# KiCad board SevenSegment.kicad_pcb (continued)
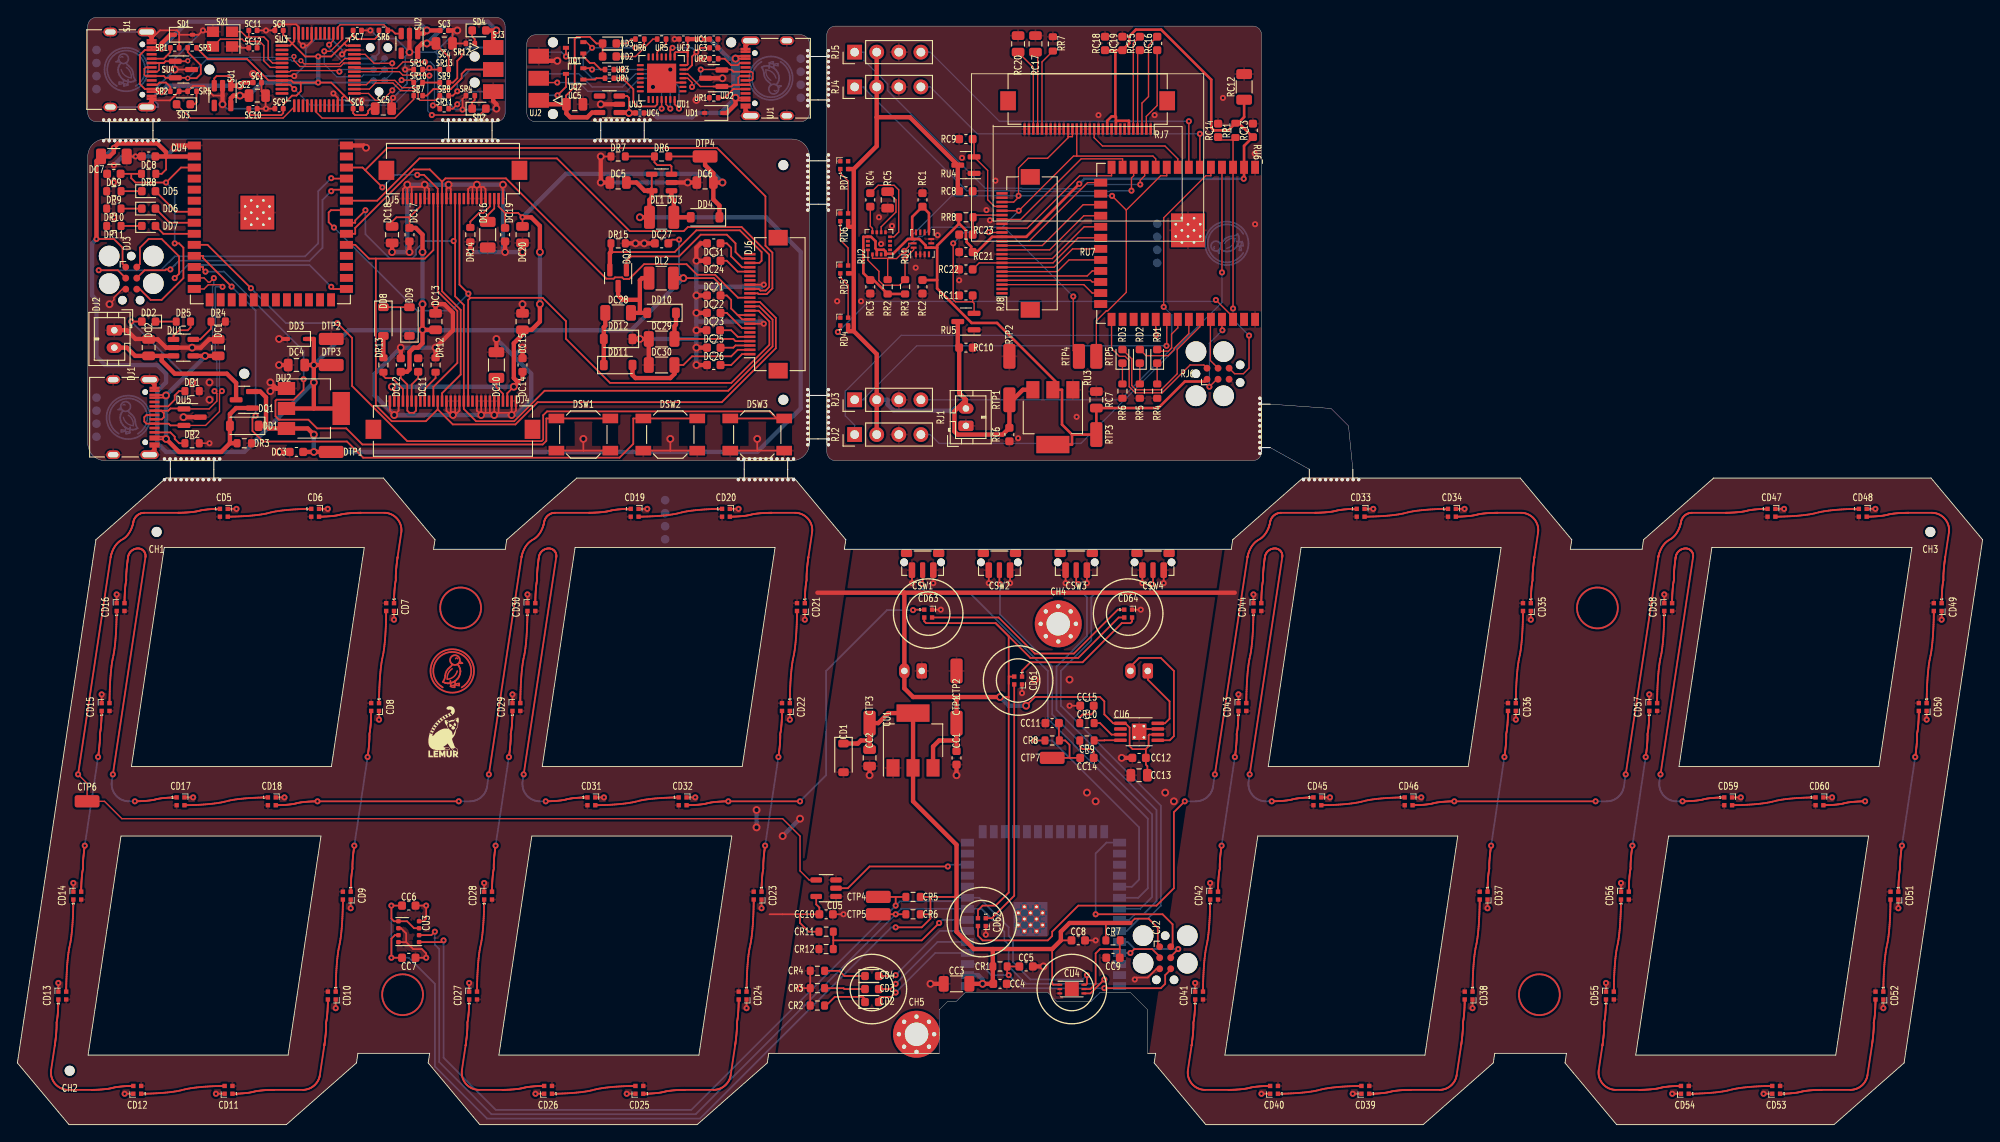
[diagram p0: board, top side]
## Routing (per net, layer and track width the routed paths; a pad name or vN(x,y) marks a point on that pad's centre or on a via; arc(x,y) is an arc through that point) (continued)
digit[3].dout: length 4.7
  Front w0.2: 207.84,36.75 207.94,36.75 208.01,36.75 208.08,36.76 208.16,36.76 208.24,36.76 208.32,36.76 208.42,36.77 208.51,36.77 208.61,36.78 208.71,36.78 208.81,36.79 209.02,36.81 209.13,36.82 209.24,36.83 209.34,36.84 209.45,36.85 209.55,36.87 209.65,36.88 209.75,36.9 209.85,36.91 209.94,36.93 210.03,36.95 210.2,37 210.29,37.02 210.38,37.04 210.48,37.05 210.58,37.07 210.68,37.09 210.78,37.1 210.89,37.11 210.99,37.12 211.21,37.14 211.42,37.16 211.52,37.17 211.62,37.17 211.72,37.18 211.81,37.18 211.91,37.19 211.99,37.19 212.07,37.19 212.15,37.19 212.22,37.2 212.34,37.2 212.39,37.2 212.44,37.2 212.47,37.2 v3(212.51,37.2)
digit[3].led[0].dout: length 9.5
  Front w0.2: 202.28,69.95 202.35,69.95 202.44,69.95 202.54,69.95 202.65,69.96 202.78,69.96 202.92,69.96 203.08,69.97 203.24,69.97 203.41,69.98 203.6,69.99 203.79,70 203.98,70.01 204.19,70.02 204.39,70.03 204.6,70.05 204.81,70.06 205.03,70.08 205.24,70.1 205.45,70.13 205.66,70.15 205.87,70.18 206.07,70.21 206.27,70.24 206.46,70.28 206.65,70.32 206.83,70.36 207.16,70.44 207.34,70.48 207.53,70.52 207.72,70.56 207.92,70.59 208.12,70.62 208.33,70.65 208.54,70.67 208.75,70.7 208.97,70.72 209.18,70.74 209.39,70.75 209.6,70.77 209.81,70.78 210.01,70.79 210.2,70.8 210.39,70.81 210.57,70.82 210.75,70.83 210.91,70.83 211.07,70.84 211.21,70.84 211.34,70.84 211.45,70.85 211.55,70.85 211.64,70.85 211.7,70.85
digit[3].led[1].dout: length 18.9
  Front w0.2: 212.82,69.95 212.92,69.95 212.99,69.95 213.06,69.96 213.14,69.96 213.22,69.96 213.31,69.96 213.4,69.97 213.49,69.97 213.59,69.98 213.69,69.98 213.79,69.99 214,70.01 214.11,70.02 214.22,70.03 214.32,70.04 214.43,70.05 214.53,70.07 214.63,70.08 214.73,70.1 214.83,70.11 214.92,70.13 215.01,70.15 215.18,70.2 215.27,70.22 215.36,70.24 215.46,70.25 215.56,70.27 215.66,70.29 215.76,70.3 215.87,70.31 215.97,70.32 216.19,70.34 216.4,70.36 216.5,70.37 216.6,70.37 216.7,70.38 216.79,70.38 216.88,70.39 216.97,70.39 217.05,70.39 217.13,70.39 217.2,70.4 217.32,70.4 217.37,70.4 217.42,70.4 217.45,70.4 220.17,70.4 220.29,70.4 220.41,70.39 220.53,70.37 220.64,70.34 220.76,70.31 220.87,70.28 220.97,70.23 221.07,70.19 221.17,70.13 221.27,70.07 221.36,70.01 221.45,69.94 221.53,69.87 221.61,69.79 221.69,69.71 221.76,69.62 221.82,69.53 221.88,69.43 221.94,69.34 221.99,69.24 222.03,69.13 222.07,69.03 222.11,68.92 222.13,68.81 222.15,68.69 222.16,68.58 222.17,68.46 222.17,68.34 222.16,68.22 222.15,68.1 221.73,65.3 221.72,65.25 221.72,65.21 221.71,65.17 221.7,65.11 221.69,65.05 221.69,64.98 221.68,64.9 221.66,64.82 221.65,64.73 221.64,64.63 221.63,64.53 221.62,64.43 221.61,64.32 221.59,64.21 221.58,64.09 221.57,63.98 221.56,63.86 221.55,63.63 221.54,63.51 221.53,63.39 221.53,63.28 221.52,63.17 221.52,63.06 221.52,62.95 221.52,62.84 221.52,62.75 221.52,62.65 221.5,62.56 221.49,62.46 221.47,62.36 221.45,62.25 221.44,62.14 221.42,62.03 221.41,61.91 221.4,61.8 221.39,61.68 221.37,61.45 221.36,61.33 221.36,61.21 221.34,60.99 221.34,60.88 221.33,60.77 221.33,60.67 221.33,60.58 221.32,60.49 221.32,60.4 221.32,60.32 221.32,60.19 221.32,60.13
digit[3].led[2].dout: length 10.4
  Front w0.2: 220.42,59 220.42,58.93 220.42,58.83 220.41,58.72 220.41,58.59 220.41,58.45 220.41,58.3 220.4,58.13 220.4,57.94 220.39,57.75 220.38,57.55 220.38,57.34 220.37,57.13 220.36,56.9 220.34,56.68 220.33,56.44 220.31,56.21 220.3,55.97 220.28,55.74 220.25,55.5 220.23,55.27 220.21,55.04 220.18,54.82 220.15,54.6 220.12,54.39 220.08,54.18 220.05,53.99 219.97,53.61 219.93,53.42 219.89,53.21 219.86,53 219.83,52.78 219.8,52.56 219.78,52.33 219.75,52.09 219.73,51.86 219.72,51.62 219.7,51.39 219.68,51.16 219.67,50.93 219.66,50.7 219.64,50.47 219.63,50.26 219.63,50.05 219.62,49.85 219.61,49.66 219.61,49.47 219.6,49.3 219.6,49.15 219.6,49 219.6,48.88 219.59,48.77 219.59,48.67 219.59,48.6
digit[3].led[3].dout: length 20.7
  Front w0.2: v3(216.75,32.1) 216.74,32.05 216.74,32.01 216.73,31.97 216.72,31.91 216.72,31.85 216.7,31.78 216.69,31.7 216.69,31.62 216.67,31.53 216.66,31.43 216.65,31.33 216.64,31.23 216.63,31.12 216.62,31.01 216.6,30.9 216.59,30.78 216.58,30.66 216.56,30.43 216.56,30.31 216.55,30.19 216.55,30.08 216.54,29.97 216.54,29.86 216.54,29.75 216.54,29.64 216.54,29.55 216.54,29.45 216.52,29.36 216.5,29.26 216.49,29.16 216.47,29.05 216.46,28.94 216.44,28.83 216.43,28.71 216.42,28.6 216.41,28.48 216.39,28.25 216.38,28.13 216.38,28.01 216.36,27.79 216.36,27.68 216.35,27.57 216.35,27.47 216.35,27.38 216.34,27.29 216.34,27.2 216.34,27.12 216.34,26.99 216.34,26.93 ; v3(218.28,42.3) 218.29,42.35 218.29,42.39 218.3,42.43 218.31,42.49 218.31,42.55 218.32,42.62 218.33,42.7 218.34,42.78 218.36,42.87 218.37,42.97 218.38,43.07 218.39,43.17 218.4,43.28 218.41,43.39 218.43,43.5 218.44,43.62 218.45,43.74 218.47,43.97 218.47,44.09 218.48,44.21 218.49,44.32 218.49,44.43 218.49,44.55 218.49,44.65 218.49,44.76 218.49,44.86 218.49,44.95 218.51,45.04 218.53,45.14 218.54,45.24 218.56,45.35 218.57,45.46 218.59,45.57 218.6,45.69 218.61,45.8 218.62,45.92 218.64,46.16 218.65,46.27 218.66,46.39 218.67,46.61 218.67,46.72 218.68,46.83 218.68,46.93 218.68,47.02 218.69,47.11 218.69,47.2 218.69,47.28 218.69,47.41 218.69,47.47
  Back w0.2: v3(218.28,42.3) v3(216.75,32.1)
digit[3].led[4].dout: length 10.4
  Front w0.2: 214.61,15.4 214.61,15.47 214.61,15.57 214.62,15.68 214.62,15.81 214.62,15.95 214.62,16.1 214.63,16.27 214.63,16.46 214.64,16.65 214.65,16.85 214.65,17.06 214.66,17.27 214.68,17.5 214.69,17.72 214.7,17.96 214.72,18.19 214.74,18.43 214.75,18.66 214.78,18.9 214.8,19.13 214.82,19.36 214.85,19.58 214.88,19.8 214.91,20.01 214.95,20.22 214.99,20.41 215.06,20.79 215.1,20.98 215.14,21.19 215.17,21.4 215.2,21.62 215.23,21.84 215.25,22.07 215.28,22.31 215.3,22.54 215.31,22.78 215.33,23.01 215.35,23.24 215.36,23.47 215.38,23.7 215.39,23.93 215.4,24.14 215.4,24.35 215.41,24.55 215.42,24.75 215.42,24.93 215.43,25.1 215.43,25.25 215.43,25.4 215.43,25.52 215.44,25.63 215.44,25.73 215.44,25.8
digit[3].led[5].dout: length 19.5
  Front w0.2: 213.71,14.27 213.71,14.15 213.71,14.08 213.71,14 213.7,13.91 213.7,13.82 213.7,13.73 213.7,13.63 213.69,13.52 213.69,13.41 213.68,13.19 213.67,13.07 213.66,12.96 213.64,12.72 213.63,12.6 213.62,12.49 213.61,12.37 213.59,12.26 213.58,12.15 213.56,12.04 213.55,11.94 213.53,11.84 213.51,11.75 213.51,11.66 213.51,11.56 213.51,11.45 213.51,11.34 213.51,11.23 213.5,11.12 213.5,11.01 213.49,10.89 213.49,10.77 213.47,10.54 213.46,10.42 213.45,10.31 213.44,10.19 213.42,10.08 213.41,9.97 213.4,9.87 213.39,9.77 213.38,9.67 213.37,9.58 213.36,9.5 213.34,9.42 213.33,9.35 213.33,9.29 213.32,9.23 213.31,9.19 213.31,9.15 213.3,9.12 213.3,9.1 212.79,5.7 212.77,5.61 212.75,5.51 212.73,5.42 212.7,5.33 212.66,5.24 212.62,5.15 212.58,5.07 212.53,4.98 212.49,4.9 212.43,4.83 212.38,4.75 212.32,4.68 212.25,4.61 212.19,4.55 212.12,4.49 212.05,4.43 211.97,4.37 211.89,4.32 211.81,4.27 211.73,4.22 211.65,4.18 211.56,4.15 211.47,4.11 211.38,4.08 211.29,4.06 211.2,4.04 211.11,4.02 211.01,4.01 210.91,4 210.81,4 207.49,4 207.46,4 207.41,4 207.31,4 207.24,4 207.17,3.99 207.09,3.99 207.01,3.99 206.93,3.99 206.83,3.98 206.74,3.98 206.64,3.97 206.54,3.97 206.44,3.96 206.23,3.94 206.12,3.93 206.01,3.92 205.91,3.91 205.8,3.9 205.7,3.89 205.6,3.87 205.5,3.85 205.4,3.84 205.31,3.82 205.22,3.8 205.05,3.75 204.96,3.73 204.87,3.71 204.77,3.7 204.67,3.68 204.57,3.66 204.47,3.65 204.36,3.64 204.26,3.63 204.15,3.62 204.04,3.61 203.83,3.59 203.73,3.58 203.63,3.58 203.53,3.57 203.44,3.57 203.34,3.56 203.26,3.56 203.18,3.56 203.1,3.56 203.03,3.55 202.91,3.55 202.86,3.55
digit[3].led[6].dout: length 9.5
  Front w0.2: 201.75,4.45 201.68,4.45 201.59,4.45 201.49,4.45 201.38,4.44 201.25,4.44 201.11,4.44 200.95,4.43 200.79,4.43 200.62,4.42 200.43,4.41 200.24,4.4 200.05,4.39 199.84,4.38 199.64,4.37 199.43,4.35 199.22,4.34 199,4.32 198.79,4.3 198.58,4.27 198.37,4.25 198.16,4.22 197.96,4.19 197.76,4.16 197.57,4.12 197.38,4.08 197.2,4.04 196.87,3.96 196.69,3.92 196.5,3.88 196.31,3.84 196.11,3.81 195.91,3.78 195.7,3.75 195.49,3.73 195.28,3.7 195.06,3.68 194.85,3.66 194.64,3.65 194.43,3.63 194.22,3.62 194.02,3.61 193.83,3.6 193.64,3.59 193.45,3.58 193.28,3.57 193.12,3.57 192.96,3.56 192.82,3.56 192.69,3.56 192.58,3.55 192.48,3.55 192.39,3.55 192.32,3.55
digit[3].led[7].dout: length 18.9
  Front w0.2: 191.21,4.45 191.11,4.45 191.04,4.45 190.97,4.44 190.89,4.44 190.81,4.44 190.72,4.44 190.63,4.43 190.54,4.43 190.44,4.42 190.34,4.42 190.24,4.41 190.03,4.39 189.92,4.38 189.81,4.37 189.71,4.36 189.6,4.35 189.5,4.34 189.4,4.32 189.3,4.3 189.2,4.29 189.11,4.27 189.02,4.25 188.85,4.2 188.76,4.18 188.67,4.16 188.57,4.15 188.47,4.13 188.37,4.12 188.27,4.1 188.16,4.09 188.06,4.08 187.95,4.07 187.84,4.06 187.63,4.04 187.53,4.03 187.43,4.03 187.33,4.02 187.24,4.02 187.14,4.01 187.06,4.01 186.98,4.01 186.9,4.01 186.83,4 186.71,4 186.66,4 186.61,4 186.58,4 183.86,4 183.74,4 183.62,4.01 183.5,4.03 183.39,4.06 183.27,4.09 183.16,4.12 183.06,4.16 182.96,4.21 182.86,4.27 182.76,4.33 182.67,4.39 182.58,4.46 182.5,4.53 182.42,4.61 182.34,4.69 182.27,4.78 182.21,4.87 182.14,4.97 182.09,5.06 182.04,5.16 182,5.27 181.96,5.37 181.93,5.48 181.9,5.59 181.88,5.71 181.87,5.82 181.86,5.94 181.86,6.06 181.87,6.18 181.88,6.3 182.3,9.1 182.31,9.15 182.31,9.19 182.32,9.23 182.33,9.29 182.34,9.35 182.34,9.42 182.35,9.5 182.37,9.58 182.38,9.67 182.39,9.77 182.4,9.87 182.41,9.97 182.42,10.08 182.44,10.19 182.45,10.31 182.46,10.42 182.47,10.54 182.49,10.77 182.49,10.89 182.5,11.01 182.5,11.12 182.51,11.23 182.51,11.34 182.51,11.45 182.51,11.56 182.51,11.66 182.51,11.75 182.53,11.84 182.55,11.94 182.56,12.04 182.58,12.15 182.59,12.26 182.61,12.37 182.62,12.49 182.63,12.6 182.64,12.72 182.66,12.96 182.67,13.07 182.68,13.19 182.69,13.41 182.69,13.52 182.7,13.63 182.7,13.73 182.7,13.82 182.7,13.91 182.71,14 182.71,14.08 182.71,14.21 182.71,14.27
digit[3].led[8].dout: length 10.4
  Front w0.2: 184.44,25.8 184.44,25.73 184.44,25.63 184.43,25.52 184.43,25.4 184.43,25.25 184.43,25.1 184.42,24.93 184.42,24.75 184.41,24.55 184.4,24.35 184.4,24.14 184.39,23.93 184.38,23.7 184.36,23.47 184.35,23.24 184.33,23.01 184.31,22.78 184.3,22.54 184.28,22.31 184.25,22.07 184.23,21.84 184.2,21.62 184.17,21.4 184.14,21.19 184.1,20.98 184.06,20.79 183.99,20.41 183.95,20.22 183.91,20.01 183.88,19.8 183.85,19.58 183.82,19.36 183.8,19.13 183.78,18.9 183.75,18.66 183.74,18.43 183.72,18.19 183.7,17.96 183.69,17.72 183.68,17.5 183.66,17.27 183.65,17.06 183.65,16.85 183.64,16.65 183.63,16.46 183.63,16.27 183.62,16.1 183.62,15.95 183.62,15.81 183.62,15.68 183.61,15.57 183.61,15.47 183.61,15.4
digit[3].led[9].dout: length 20.7
  Front w0.2: 185.34,26.93 185.34,27.05 185.34,27.12 185.34,27.2 185.34,27.29 185.35,27.38 185.35,27.47 185.35,27.57 185.36,27.68 185.36,27.79 185.38,28.01 185.38,28.13 185.39,28.25 185.41,28.48 185.42,28.6 185.43,28.71 185.44,28.83 185.46,28.94 185.47,29.05 185.49,29.16 185.5,29.26 185.52,29.36 185.54,29.45 185.54,29.55 185.54,29.64 185.54,29.75 185.54,29.86 185.54,29.97 185.55,30.08 185.55,30.19 185.56,30.31 185.56,30.43 185.58,30.66 185.59,30.78 185.6,30.9 185.62,31.01 185.63,31.12 185.64,31.23 185.65,31.33 185.66,31.43 185.67,31.53 185.69,31.62 185.69,31.7 185.7,31.78 185.72,31.85 185.72,31.91 185.73,31.97 185.74,32.01 185.74,32.05 v3(185.75,32.1) ; 187.69,47.47 187.69,47.35 187.69,47.28 187.69,47.2 187.69,47.11 187.68,47.02 187.68,46.93 187.68,46.83 187.67,46.72 187.67,46.61 187.66,46.39 187.65,46.27 187.64,46.16 187.62,45.92 187.61,45.8 187.6,45.69 187.59,45.57 187.57,45.46 187.56,45.35 187.54,45.24 187.53,45.14 187.51,45.04 187.49,44.95 187.49,44.86 187.49,44.76 187.49,44.65 187.49,44.55 187.49,44.43 187.49,44.32 187.48,44.21 187.47,44.09 187.47,43.97 187.45,43.74 187.44,43.62 187.43,43.5 187.41,43.39 187.4,43.28 187.39,43.17 187.38,43.07 187.37,42.97 187.36,42.87 187.34,42.78 187.34,42.7 187.32,42.62 187.31,42.55 187.31,42.49 187.3,42.43 187.29,42.39 187.29,42.35 v3(187.28,42.3)
  Back w0.2: v3(185.75,32.1) v3(187.28,42.3)
digit[3].led[10].dout: length 10.4
  Front w0.2: 188.59,48.6 188.59,48.67 188.59,48.77 188.6,48.88 188.6,49 188.6,49.15 188.6,49.3 188.61,49.47 188.61,49.66 188.62,49.85 188.63,50.05 188.63,50.26 188.64,50.47 188.66,50.7 188.67,50.93 188.68,51.16 188.7,51.39 188.72,51.62 188.73,51.86 188.75,52.09 188.78,52.33 188.8,52.56 188.83,52.78 188.86,53 188.89,53.21 188.93,53.42 188.97,53.61 189.05,53.99 189.08,54.18 189.12,54.39 189.15,54.6 189.18,54.82 189.21,55.04 189.23,55.27 189.25,55.5 189.28,55.74 189.3,55.97 189.31,56.21 189.33,56.44 189.34,56.68 189.35,56.9 189.37,57.13 189.38,57.34 189.38,57.55 189.39,57.75 189.4,57.94 189.4,58.13 189.41,58.3 189.41,58.45 189.41,58.59 189.41,58.72 189.42,58.83 189.42,58.93 189.42,59
digit[3].led[11].dout: length 43.3
  Front w0.2: v3(191.51,37.2) 191.56,37.2 191.59,37.2 191.64,37.2 191.74,37.2 191.81,37.2 191.88,37.21 191.96,37.21 192.04,37.21 192.12,37.21 192.22,37.22 192.31,37.22 192.41,37.23 192.51,37.23 192.61,37.24 192.82,37.26 193.04,37.28 193.14,37.29 193.25,37.3 193.35,37.31 193.45,37.33 193.55,37.35 193.65,37.36 193.74,37.38 193.83,37.4 194,37.45 194.09,37.47 194.18,37.49 194.28,37.5 194.38,37.52 194.48,37.53 194.58,37.55 194.69,37.56 194.79,37.57 194.9,37.58 195.01,37.59 195.22,37.61 195.32,37.62 195.42,37.62 195.52,37.63 195.61,37.63 195.7,37.64 195.79,37.64 195.87,37.64 195.95,37.64 196.02,37.65 196.14,37.65 196.19,37.65 ; 190.32,60.13 190.32,60.25 190.32,60.32 190.32,60.4 190.32,60.49 190.33,60.58 190.33,60.67 190.33,60.77 190.34,60.88 190.34,60.99 190.35,61.21 190.36,61.33 190.37,61.45 190.39,61.68 190.4,61.8 190.41,61.91 190.42,62.03 190.44,62.14 190.45,62.25 190.47,62.36 190.49,62.46 190.5,62.56 190.52,62.65 190.52,62.75 190.52,62.84 190.52,62.95 190.52,63.06 190.52,63.17 190.53,63.28 190.53,63.39 190.54,63.51 190.55,63.63 190.56,63.86 190.57,63.98 190.58,64.09 190.59,64.21 190.61,64.32 190.62,64.43 190.63,64.53 190.64,64.63 190.65,64.73 190.66,64.82 190.68,64.9 190.69,64.98 190.69,65.05 190.7,65.11 190.71,65.17 190.72,65.21 190.72,65.25 190.73,65.3 190.74,65.37 190.75,65.42 190.77,65.48 190.79,65.53 190.81,65.58 190.83,65.63 190.85,65.68 190.88,65.73 190.91,65.78 190.94,65.82 190.97,65.86 191.01,65.91 191.04,65.95 191.08,65.98 191.12,66.02 191.16,66.05 191.21,66.09 191.25,66.12 191.3,66.14 191.35,66.17 191.39,66.19 191.44,66.22 191.5,66.23 191.55,66.25 191.6,66.27 191.66,66.28 191.71,66.29 191.77,66.29 191.82,66.3 191.88,66.3 191.93,66.3 191.98,66.29 192.03,66.29 192.08,66.28 192.13,66.26 192.18,66.25 192.22,66.23 192.27,66.21 192.31,66.19 192.35,66.16 192.39,66.13 192.43,66.1 192.47,66.07 192.5,66.04 192.53,66 192.56,65.96 192.59,65.93 192.62,65.88 192.64,65.84 192.66,65.8 192.68,65.75 192.7,65.71 192.71,65.66 192.72,65.61 192.73,65.57 192.74,65.52 192.74,65.47 192.74,65.41 192.74,65.36 192.73,65.31 192.73,65.3 v3(188.98,40.3)
  Back w0.2: v3(188.98,40.3) 188.86,39.5 188.84,39.38 188.84,39.26 188.84,39.14 188.84,39.02 188.86,38.91 188.88,38.79 188.91,38.68 188.94,38.57 188.98,38.47 189.02,38.36 189.07,38.26 189.12,38.17 189.19,38.07 189.25,37.98 189.32,37.9 189.4,37.81 189.48,37.73 189.56,37.66 189.65,37.59 189.74,37.53 189.84,37.47 189.94,37.41 190.04,37.37 190.14,37.32 190.25,37.29 190.37,37.26 190.48,37.23 190.6,37.21 190.72,37.2 190.84,37.2 v3(191.51,37.2)
digit[3].led[12].dout: length 9.5
  Front w0.2: 197.31,36.75 197.37,36.75 197.46,36.75 197.56,36.75 197.67,36.76 197.8,36.76 197.94,36.76 198.1,36.77 198.26,36.77 198.44,36.78 198.62,36.79 198.81,36.8 199,36.81 199.2,36.82 199.41,36.83 199.62,36.85 199.83,36.86 200.05,36.88 200.26,36.9 200.47,36.93 200.68,36.95 200.89,36.98 201.09,37.01 201.29,37.04 201.48,37.08 201.67,37.12 201.85,37.16 202.18,37.24 202.36,37.28 202.55,37.32 202.74,37.36 202.94,37.39 203.14,37.42 203.35,37.45 203.56,37.47 203.77,37.5 203.99,37.52 204.2,37.54 204.41,37.55 204.62,37.57 204.82,37.58 205.03,37.59 205.22,37.6 205.41,37.61 205.59,37.62 205.77,37.63 205.93,37.63 206.09,37.64 206.23,37.64 206.36,37.64 206.47,37.65 206.57,37.65 206.66,37.65 206.72,37.65
en_pull.io: length 8.7
  Front w0.15: 42.81,125.9 42.16,126.55 37.12,126.55 36.84,126.27 SU3.38
  Front w0.2: SR6.2 43.09,125.9 43.46,125.54 SU2.3
epd.boost.boot_cap.neg: length 6.1
  Front w0.5: DC28.2 67.62,91.93 67.44,91.75 DD12.2 DD11.1
epd.boost.inductor.b: length 10.5
  Front w0.5: 71.59,94.9 71.59,93.4 ; 71.59,94.9 69.59,94.9 69.09,95.4 DQ2.3 ; 71.59,94.9 71.59,97.15 71.84,97.4 DL2.2 ; 71.59,93.4 DD10.2 ; 71.59,93.4 DC28.1
epd.boost.neg_out: length 16.7
  Front w0.2: DJ6.2 82.84,89.15 82.09,88.4 77.59,88.4 76.59,87.4 DC30.2
  Front w0.5: DC30.2 75.57,86.38 75.09,85.9 71.09,85.9 70.75,86.25 DD11.2
epd.boost.pos_out: length 11.9
  Front w0.2: DJ6.4 82.59,90.15 82.34,90.4 DC29.1
  Front w0.5: DC29.1 75.57,91.88 75.75,92.05 DD10.1
epd.busy: length 61.8
  Front w0.2: DJ6.16 85.28,96.15 85.46,95.97 86.06,95.97 86.47,96.39 86.47,100.1 83.3,103.27 77.11,103.27 76.64,102.81 70.43,102.81 62.06,111.18 46.24,111.18 41.38,106.31 DU4.35
epd.device.gdr: length 18.2
  Front w0.2: DJ6.23 83.34,99.65 82.59,100.4 82.59,101.4 81.59,102.4 78.59,102.4 76.09,99.9 70.59,99.9 70.05,99.35 DQ2.1
epd.device.nc_vgl: length 5.1
  Front w0.2: DC31.2 81.59,101.4 82.09,100.9 82.09,99.9 83.35,98.65 DJ6.21
epd.device.rese: length 25
  Front w0.2: DJ6.22 85.34,99.15 85.59,99.4 85.59,100.4 83.09,102.9 78.09,102.9 75.59,100.4 68.27,100.4
  Front w0.5: DR15.1 68.27,100.4 68.14,100.28 DQ2.2
epd.device.vcom: length 3.9
  Front w0.2: DC26.1 82.09,87.4 83.34,88.65 DJ6.1
epd.device.vdd1v8: length 4.1
  Front w0.2: DC22.1 81.59,93.4 83.34,91.65 DJ6.7
epd.device.vsh: length 3.7
  Front w0.2: DJ6.5 82.84,90.65 82.09,91.4 DC23.1
epd.device.vshr: length 3.9
  Front w0.2: DC24.1 81.59,99.4 82.84,98.15 DJ6.20
epd.device.vsl: length 3.5
  Front w0.2: DJ6.3 82.59,89.65 82.34,89.4 DC25.2
i2c_chain_0.scl: length 181.4
  Front w0.15: v3(121.44,95.29) 121.44,89.05 RTP4.1 ; RJ8.20 v3(115.17,105.15) 121.47,111.44 121.84,111.44 ; 100.09,99.65 101.12,99.65 v3(102.01,100.54) 102.52,101.05 102.52,101.4 RU1.13 ; 100.09,99.65 RR2.2 ; 100.09,99.65 100.07,99.67 98.34,99.67 RU2.1 ; RU6.10 130.93,111.13 130.61,111.44 121.84,111.44 ; 121.84,111.44 RJ7.18
  Front w0.2: CU3.4 48.81,21 v3(49.02,21.2) ; 101.02,26.2 CTP4.1 ; 101.02,26.2 CR5.2 ; 101.02,26.2 v3(101.02,25.2) ; CU4.6 122.91,16.1 123.02,16.2 v3(123.02,17.2)
  Back w0.15: v3(102.01,100.54) 103.65,102.18 104.07,102.18 105.16,103.26 113.29,103.26 113.38,103.35 ; v3(115.17,105.15) 113.38,103.35 ; 113.38,103.35 v3(121.44,95.29)
  Back w0.2: v3(49.02,21.2) 49.02,7.7 55.02,1.7 77.52,1.7 v3(101.02,25.2) 101.52,25.7 107.61,25.7 108.02,26.1 CU2.9 110.61,26.1 114.02,22.7 114.02,21.7 114.52,21.2 114.52,18.7 116.52,16.7 122.52,16.7 v3(123.02,17.2)
i2c_chain_0.sda: length 201.1
  Front w0.15: RJ7.20 120.84,113.67 ; 120.84,113.67 121.34,113.67 RJ7.19 ; 120.84,113.67 120.84,113.55 118.49,111.19 116.26,111.19 115.15,110.08 v3(115.15,106.87) 115.15,106.71 114.59,106.15 RJ8.22 ; RU2.16 97.82,99.45 99.09,98.19 99.09,97.11 99.62,96.58 101.45,96.58 RR3.2 v3(102.09,99.67) 103.08,100.66 RU1.14 ; 127.54,105.23 131.49,109.17 132.19,109.17 RU6.9 ; 127.54,105.23 127.54,95.77 125.4,93.63 125.24,93.63 124.09,92.48 RTP5.1 ; 127.54,105.23 v3(125.9,106.86)
  Front w0.2: v3(125.02,16.7) 123.41,15.1 CU4.4 ; v3(48.02,22.2) 47.61,21.8 CU3.3 ; CR6.2 CTP5.1
  Back w0.15: v3(125.9,106.86) 125.89,106.87 v3(115.15,106.87) 107.46,106.87 101.4,100.81 101.4,100.27 102,99.67 v3(102.09,99.67)
  Back w0.2: v3(125.02,16.7) 124.52,16.2 116.02,16.2 114.02,18.2 114.02,20.7 113.52,21.2 113.52,22.2 110.88,24.83 CU2.8 101.64,24.83 v3(101.02,24.2) 78.02,1.2 54.52,1.2 48.52,7.2 48.52,20.2 48.02,20.7 v3(48.02,22.2)
led.res.a: length 5.5
  Front w0.16: UR5.1 73.09,124.9 71.09,122.9 UD2.1
led_en.res.a: length 2.4
  Front w0.16: UD3.1 70.09,124.4 70.59,124.9 UR6.1
led_target.res.a: length 2
  Front w0.15: 52.31,125.54 SD4.1
  Front w0.2: SD4.1 52.31,125.19 52.61,124.89 SR12.1
led_tgt.res.a: length 2
  Front w0.15: 52.31,117.26 SD2.1
  Front w0.2: SR4.1 52.59,118.39 52.59,117.9 52.31,117.61 SD2.1
led_tgt.signal: length 20.1
  Front w0.15: SD2.2 53.15,116.16 v3(47.67,116.16) ; v3(47.39,120.7) 47.33,120.76 44.33,120.76 43.94,121.15 SU3.30
  Back w0.15: v3(47.67,116.16) 47.19,116.64 47.19,120.51 v3(47.39,120.7)
led_usb.res.a: length 2.1
  Front w0.2: SR5.1 20.61,117.66 20.34,117.4 SD3.1
led_usb.signal: length 14.9
  Front w0.15: SU3.13 31.84,117.11 30.56,115.82 19.89,115.82 SD3.2
ledb.res.a: length 9.7
  Front w0.15: RD3.1 RR6.1
  Front w0.2: 92.84,17.7 94.52,17.7 95.12,17.1 CD4.1 ; DR11.1 DD7.1
ledb.signal: length 35.3
  Front w0.15: RD3.2 128.17,88.11 128.17,85.04 128.66,84.55 131.55,84.55 133.4,86.39 133.4,89.19 136,91.8 RU6.35
  Front w0.2: DD7.2 16.78,102.5 DU4.9 ; CD4.2 100.91,17.1 v3(101.02,17.2)
  Back w0.2: v3(101.02,17.2) 106.11,22.29 CU2.6
ledg.res.a: length 9.5
  Front w0.15: RD2.1 RR5.1
  Front w0.2: DD6.1 DR10.1 ; CD3.1 95.12,15.6 95.02,15.7 92.84,15.7
ledg.signal: length 26.3
  Front w0.15: RU6.34 134.73,91.02 133.04,89.32 133.04,89.17 132.34,88.47 129.81,88.47 RD2.2
  Front w0.2: DD6.2 17.51,103.77 DU4.8 ; CD3.2 100.41,15.6 v3(101.02,16.2)
  Back w0.2: CU2.5 105.83,21.02 v3(101.02,16.2)
ledr.res.a: length 9.8
  Front w0.15: RD1.1 RR4.1
  Front w0.2: 97.49,14.48 97.27,14.7 94.02,14.7 93.02,13.7 ; DR9.1 DD5.1
ledr.signal: length 23.7
  Front w0.15: RU6.33 133.47,91.67 132.74,90.95 132.74,89.37 132.37,88.99 131.29,88.99 RD1.2
  Front w0.2: v3(101.02,15.2) 100.52,14.7 99.27,14.7 99.06,14.5 CD2.2 ; DU4.7 18.24,105.04 DD5.2
  Back w0.2: CU2.4 105.56,19.75 v3(101.02,15.2)
mcu.program_boot_node: length 74.3
  Front w0.15: RJ6.2 136.46,87.4 134.87,87.4 131.67,84.2 128.58,84.2 127.87,84.91 127.87,87.94 127.41,88.4 126.75,88.4 125.84,89.3 RU6.27
  Front w0.2: DU4.27 36.34,96.15 v3(36.09,96.4) ; v3(18.09,97.4) 18.59,97.9 18.59,99.9 16.59,101.9 15.09,101.9 14.09,100.9 14.09,100.9 14.09,99.03 DJ3.2 ; v3(124.02,24.2) 131.71,24.2 132.86,23.05 132.86,20.68 CJ2.2
  Back w0.2: v3(124.02,24.2) 124.02,31.2 125.27,32.45 CU2.27 ; v3(36.09,96.4) 33.59,98.9 19.59,98.9 v3(18.09,97.4)